# KiCad board pcb-rounded.kicad_pcb (continued)
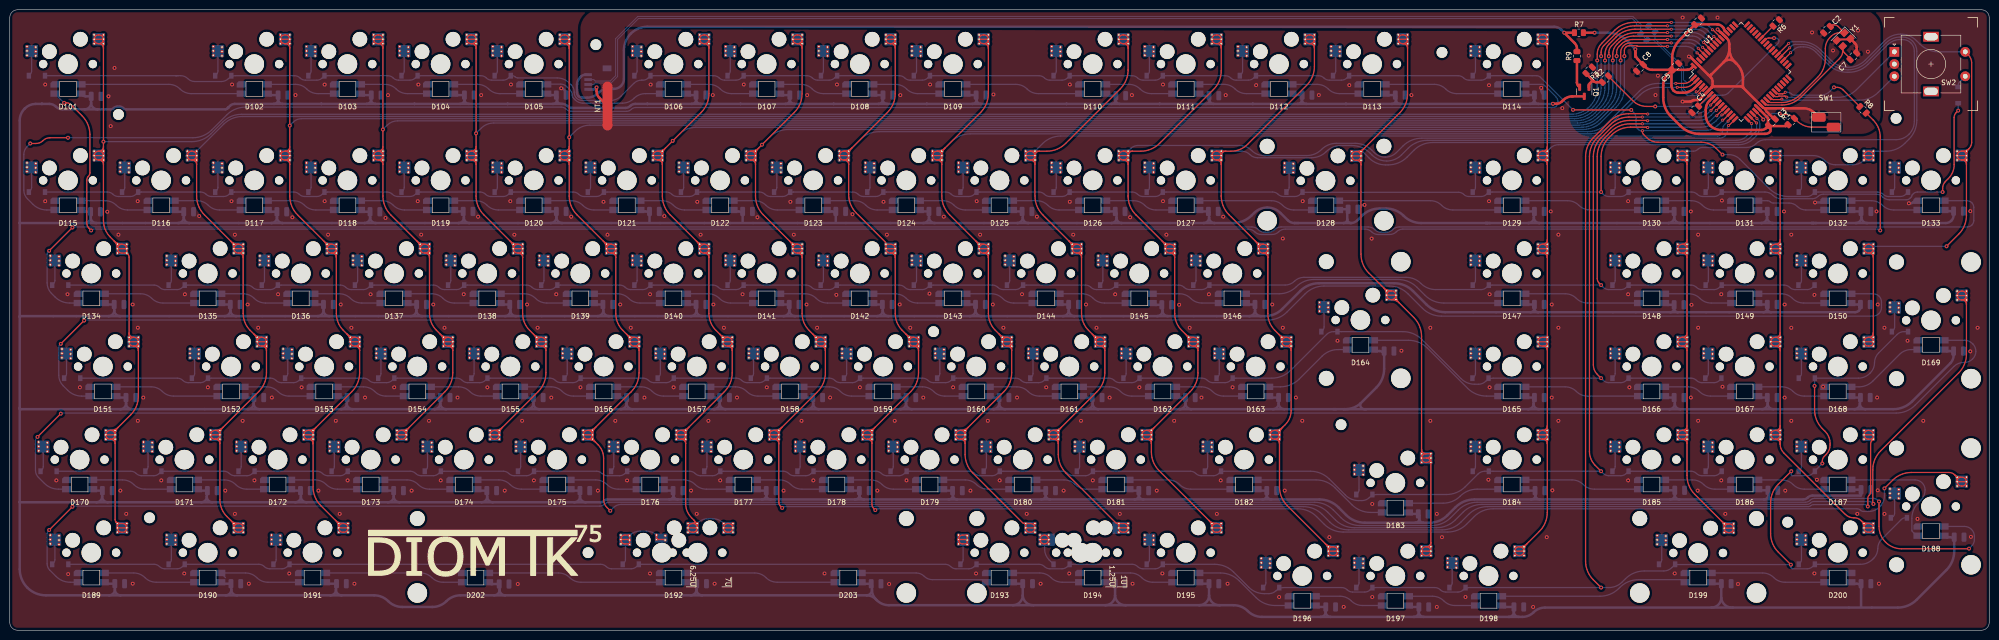
[diagram p0: board, top side]
## Routing (per net, layer and track width the routed paths; a pad name or vN(x,y) marks a point on that pad's centre or on a via; arc(x,y) is an arc through that point)
+5V: length 120.3
  Top w0.508: U1.8 347.59,108.38 arc(347.03,107.55) 346.84,106.56 346.84,105.48 arc(347.07,104.3) 347.74,103.3 arc(348.74,102.63) 349.93,102.39 358.21,102.39 arc(358.73,102.5) 359.17,102.79 ; 339.9,114.63 339.06,113.79 arc(338.38,112.77) 338.14,111.57 338.14,109.01 arc(338.55,106.93) 339.73,105.17 341.7,103.19 arc(343.47,102.01) 345.55,101.6 359.01,101.6 arc(359.53,101.7) 359.97,102 arc(360.13,102.39) 359.97,102.79 ; 339.9,114.63 arc(339.98,114.69) 340.08,114.71 ; 339.9,114.63 arc(339.91,114.68) 339.87,114.71 ; 339.9,114.63 arc(339.84,114.55) 339.82,114.45 339.82,111.51 arc(339.94,110.93) 340.26,110.45 arc(340.75,110.13) 341.32,110.01 342.18,110.01 arc(343.46,110.27) 344.54,110.99 U1.3 ; 332.44,117.35 v1(332.44,118.92) 332.44,118.15 arc(332.58,117.43) 332.99,116.82 334.58,115.24 arc(335.16,114.85) 335.85,114.71 339.87,114.71 ; R1.1 363.54,103.34 arc(363.37,103.23) 363.18,103.19 360.13,103.19 ; 340.08,114.71 343.03,114.71 arc(343.55,114.81) 343.99,115.1 U1.64 ; 340.08,114.71 arc(340,114.74) 339.97,114.81 ; U1.52 350.68,122.79 arc(350.6,122.91) 350.57,123.05 arc(350.55,123.19) 350.47,123.31 350.17,123.61 arc(349.71,123.91) 349.18,124.02 344.73,124.02 arc(344.68,124.01) 344.64,123.98 341.57,120.91 arc(340.39,119.14) 339.97,117.06 339.97,114.81 ; 339.97,114.81 arc(339.94,114.74) 339.87,114.71 ; v1(324.1,122.31) R7.2 ; 359.57,103.75 359.57,104.85 356.94,107.48 ; 359.57,103.75 arc(359.73,103.35) 360.13,103.19 ; 359.57,103.75 arc(359.47,103.23) 359.17,102.79 ; 360.13,103.19 arc(359.92,103.04) 359.97,102.79 ; 359.97,102.79 arc(359.57,102.96) 359.17,102.79
  Bottom w0.508: v1(332.44,118.92) 330.64,120.72 arc(328.88,121.9) 326.8,122.31 v1(324.1,122.31)
/LED/5V: length 3065.5
  Top w0.508: v1(315.6,107.76) 316.27,107.76 arc(316.9,107.88) 317.43,108.24 317.7,108.52 arc(318.54,109.08) 319.53,109.28 Q1.3
  Bottom w0.508: D188.1 395.73,19.2 arc(395.89,19.09) 396.08,19.05 396.76,19.05 arc(397.39,18.79) 397.65,18.16 397.65,16.18 arc(397.24,14.09) 396.06,12.33 389.96,6.23 arc(388.19,5.05) 386.11,4.64 352.36,4.64 ; D111.1 243.39,109.62 arc(243.62,109.46) 243.89,109.41 245.15,109.41 arc(245.25,109.39) 245.32,109.34 arc(245.37,109.26) 245.39,109.17 245.39,108.5 ; D184.1 310,28.72 arc(310.16,28.61) 310.35,28.58 311.87,28.58 arc(311.92,28.56) 311.97,28.54 arc(312,28.49) 312.01,28.44 312.01,27.63 ; 141.58,64.29 158.23,64.29 ; 141.58,64.29 139.28,64.29 ; 141.58,64.29 arc(140.77,64.63) 140.43,65.44 ; 277.39,45.24 310.52,45.24 ; 277.39,45.24 272.8,45.24 ; 277.39,45.24 arc(276.31,45.66) 276.2,46.39 ; 310.52,45.24 312.73,45.24 ; 310.52,45.24 arc(311.3,45.57) 311.63,46.35 ; 44.63,106.93 44.48,106.77 arc(44.3,106.65) 44.09,106.61 23.84,106.61 arc(23.48,106.69) 23.17,106.89 arc(22.86,107.1) 22.49,107.17 21.96,107.17 arc(21.59,107.1) 21.28,106.89 arc(20.97,106.69) 20.61,106.61 17.96,106.61 ; 44.63,106.93 44.65,106.94 ; 44.63,106.93 44.65,106.94 ; 149.45,107.73 158.64,107.73 ; 149.45,107.73 149.44,107.73 ; 149.45,107.73 arc(149.44,107.73) 149.44,107.74 ; 158.64,107.73 160.44,107.73 ; 158.64,107.73 arc(159.28,107.99) 159.54,108.63 ; 289.17,2.73 306.59,2.73 ; 289.17,2.73 287.16,2.73 ; 289.17,2.73 arc(288.46,3.03) 288.16,3.74 ; 306.59,2.73 308.6,2.73 ; 306.59,2.73 arc(307.3,3.03) 307.59,3.74 ; 72.54,83.34 55.79,83.34 ; 72.54,83.34 74.84,83.34 ; 72.54,83.34 arc(73.35,83.68) 73.69,84.49 ; D130.1 338.58,85.87 arc(338.74,85.76) 338.93,85.73 340.36,85.73 arc(340.38,85.72) 340.38,85.72 arc(340.39,85.71) 340.39,85.7 340.39,84.53 ; 22.55,64.29 20.19,64.29 ; 22.55,64.29 43.93,64.29 ; 22.55,64.29 arc(21.71,64.64) 21.37,65.48 ; 20.19,64.29 2.19,64.29 arc(2.13,64.28) 2.08,64.25 ; 20.19,64.29 arc(21.02,64.64) 21.37,65.48 ; 111.92,108.56 111.92,109.3 arc(111.9,109.39) 111.85,109.47 arc(111.77,109.52) 111.68,109.54 110.33,109.54 arc(110.14,109.58) 109.98,109.68 D105.1 ; 111.92,108.56 arc(111.67,107.97) 111.08,107.73 ; 111.92,108.56 arc(112.16,107.97) 112.75,107.73 ; 269.11,3.74 269.11,4.74 arc(269.12,4.75) 269.12,4.75 arc(269.12,4.76) 269.12,4.76 267.49,4.76 arc(267.3,4.8) 267.14,4.91 D196.1 ; 269.11,3.74 arc(269.41,3.03) 270.12,2.73 ; 269.11,3.74 arc(268.82,3.03) 268.11,2.73 ; 220.31,45.24 203.53,45.24 ; 220.31,45.24 222.61,45.24 ; 220.31,45.24 arc(221.12,45.58) 221.46,46.39 ; 203.53,45.24 201.16,45.24 ; 203.53,45.24 arc(202.69,45.59) 202.34,46.43 ; 312.73,45.24 339.4,45.24 ; 312.73,45.24 arc(311.95,45.57) 311.63,46.35 ; 192.02,26.76 174.66,26.76 ; 192.02,26.76 193.75,26.76 ; 192.02,26.76 arc(192.63,27.02) 192.88,27.63 ; 174.66,26.76 172.87,26.76 ; 174.66,26.76 arc(174.03,27.03) 173.77,27.66 ; D154.1 86.16,47.77 arc(86.32,47.66) 86.51,47.63 88.02,47.63 arc(88.03,47.62) 88.03,47.62 arc(88.04,47.61) 88.04,47.6 88.04,46.43 ; 2.03,83.4 2.03,104.34 arc(2.29,105.64) 3.03,106.74 3.11,106.83 arc(4.12,107.5) 5.3,107.73 6.56,107.73 ; 2.03,83.4 2.03,83.35 ; 2.03,83.4 arc(2.04,83.38) 2.05,83.36 ; 360.2,65.09 377.38,65.09 arc(377.8,65.18) 378.15,65.42 arc(378.39,65.77) 378.48,66.19 378.48,66.21 arc(378.34,66.54) 378.01,66.68 377.03,66.68 arc(376.84,66.71) 376.68,66.82 D150.1 ; 360.2,65.09 358.63,65.09 ; 360.2,65.09 arc(359.65,65.32) 359.42,65.88 ; 235.16,107.74 235.16,107.74 ; 235.16,107.74 arc(235.16,107.73) 235.16,107.73 ; 235.16,107.74 arc(235.17,107.73) 235.18,107.73 ; 246.39,83.34 250.17,83.34 arc(252.24,83.76) 254,84.93 254.46,85.4 arc(255.71,86.23) 257.18,86.52 arc(258.64,86.23) 259.89,85.4 261.38,83.91 arc(262,83.49) 262.73,83.34 ; 246.39,83.34 244.15,83.34 ; 246.39,83.34 arc(245.6,83.67) 245.27,84.46 ; 140.43,8.31 140.43,9.44 arc(140.44,9.47) 140.45,9.5 arc(140.46,9.52) 140.44,9.53 138.9,9.53 arc(138.71,9.56) 138.55,9.67 D192.1 ; 140.43,8.31 arc(140.09,7.49) 139.26,7.14 ; 140.43,8.31 arc(140.77,7.49) 141.6,7.14 ; 130.39,107.73 127.9,107.73 arc(127.36,107.62) 126.91,107.32 arc(126.46,107.02) 125.92,106.91 115.01,106.91 arc(114.48,107.02) 114.03,107.32 arc(113.57,107.62) 113.04,107.73 112.75,107.73 ; 130.39,107.73 130.4,107.73 ; 130.39,107.73 arc(130.39,107.73) 130.39,107.74 ; 2.03,64.27 2.03,83.35 ; 2.03,64.27 2.03,64.13 ; 2.03,64.27 arc(2.05,64.24) 2.08,64.25 ; 2.03,83.35 arc(2.04,83.36) 2.05,83.36 ; 378.36,46.38 378.36,47.44 arc(378.38,47.51) 378.42,47.57 arc(378.43,47.6) 378.4,47.63 377.03,47.63 arc(376.84,47.66) 376.68,47.77 D168.1 ; 378.36,46.38 arc(378.03,45.58) 377.23,45.24 ; 378.36,46.38 arc(378.7,45.58) 379.5,45.24 ; D193.1 205.23,9.67 arc(205.39,9.56) 205.58,9.53 207.15,9.53 arc(207.15,9.52) 207.16,9.52 arc(207.16,9.52) 207.16,9.52 207.16,7.12 ; D109.1 195.7,109.68 arc(195.86,109.58) 196.05,109.54 197.57,109.54 arc(197.62,109.53) 197.67,109.5 arc(197.7,109.45) 197.71,109.4 197.71,108.59 ; 358.35,45.24 341.64,45.24 ; 358.35,45.24 360.66,45.24 ; 358.35,45.24 arc(359.17,45.58) 359.51,46.39 ; 341.64,45.24 339.4,45.24 ; 341.64,45.24 arc(340.85,45.57) 340.52,46.36 ; 96.48,26.19 79.7,26.19 ; 96.48,26.19 98.78,26.19 ; 96.48,26.19 arc(97.29,26.53) 97.63,27.34 ; 79.7,26.19 77.34,26.19 ; 79.7,26.19 arc(78.86,26.54) 78.52,27.38 ; 112.75,107.73 111.08,107.73 ; 111.08,107.73 101.83,107.73 ; 179.68,64.29 177.38,64.29 ; 179.68,64.29 196.33,64.29 ; 179.68,64.29 arc(178.87,64.63) 178.53,65.44 ; 177.38,64.29 160.6,64.29 ; 177.38,64.29 arc(178.19,64.63) 178.53,65.44 ; 18.89,27.36 18.89,28.49 arc(18.9,28.52) 18.92,28.55 arc(18.92,28.57) 18.91,28.58 17.46,28.58 arc(17.27,28.61) 17.11,28.72 D170.1 ; 18.89,27.36 arc(19.23,26.54) 20.06,26.19 ; 18.89,27.36 arc(18.55,26.54) 17.72,26.19 ; 359.38,84.51 359.38,85.64 arc(359.38,85.67) 359.4,85.7 arc(359.41,85.72) 359.39,85.73 357.98,85.73 arc(357.79,85.76) 357.63,85.87 D131.1 ; 359.38,84.51 arc(359.72,83.69) 360.55,83.34 ; 359.38,84.51 arc(359.04,83.69) 358.21,83.34 ; 89.23,45.24 86.86,45.24 ; 89.23,45.24 105.91,45.24 ; 89.23,45.24 arc(88.39,45.59) 88.04,46.43 ; 86.86,45.24 70.1,45.24 ; 86.86,45.24 arc(87.7,45.59) 88.04,46.43 ; 55.79,83.34 53.49,83.34 ; 55.79,83.34 arc(54.98,83.68) 54.64,84.49 ; 53.49,83.34 36.74,83.34 ; 53.49,83.34 arc(54.3,83.68) 54.64,84.49 ; 182.11,45.24 165.46,45.24 ; 182.11,45.24 184.48,45.24 ; 182.11,45.24 arc(182.95,45.59) 183.29,46.43 ; 165.46,45.24 163.16,45.24 ; 165.46,45.24 arc(164.64,45.58) 164.31,46.39 ; 308.6,2.73 309.35,2.73 arc(310.59,2.98) 311.65,3.68 arc(312.7,4.39) 313.94,4.64 348.01,4.64 ; 308.6,2.73 arc(307.89,3.03) 307.59,3.74 ; 311.76,108.61 311.76,109.46 arc(311.76,109.49) 311.78,109.52 arc(311.78,109.53) 311.77,109.54 310.35,109.54 arc(310.16,109.58) 310,109.68 D114.1 ; 311.76,108.61 arc(312.01,107.99) 312.64,107.73 ; 311.76,108.61 arc(311.5,107.99) 310.88,107.73 ; 121.38,65.44 121.38,66.54 arc(121.37,66.59) 121.34,66.64 arc(121.3,66.66) 121.24,66.68 119.85,66.68 arc(119.66,66.71) 119.5,66.82 D139.1 ; 121.38,65.44 arc(121.04,64.63) 120.23,64.29 ; 121.38,65.44 arc(121.72,64.63) 122.53,64.29 ; 127.33,45.24 144.01,45.24 ; 127.33,45.24 124.96,45.24 ; 127.33,45.24 arc(126.49,45.59) 126.14,46.43 ; 144.01,45.24 146.38,45.24 ; 144.01,45.24 arc(144.85,45.59) 145.19,46.43 ; 341.12,65.09 339.61,65.09 ; 341.12,65.09 358.63,65.09 ; 341.12,65.09 arc(340.59,65.32) 340.37,65.85 ; 339.61,65.09 312.56,65.09 ; 339.61,65.09 arc(340.15,65.32) 340.37,65.85 ; 168.5,107.73 168.49,107.73 ; 168.5,107.73 177.65,107.73 ; 168.5,107.73 arc(168.49,107.73) 168.49,107.74 ; 168.49,107.73 160.44,107.73 ; 168.49,107.73 arc(168.49,107.73) 168.49,107.74 ; 198.7,64.29 215.38,64.29 ; 198.7,64.29 196.33,64.29 ; 198.7,64.29 arc(197.86,64.64) 197.52,65.48 ; 183.29,46.43 183.29,47.6 arc(183.29,47.61) 183.28,47.62 arc(183.28,47.62) 183.27,47.63 181.76,47.63 arc(181.57,47.66) 181.41,47.77 D159.1 ; 183.29,46.43 arc(183.64,45.59) 184.48,45.24 ; 40.29,27.33 40.29,28.39 arc(40.31,28.46) 40.35,28.52 arc(40.35,28.55) 40.32,28.58 38.89,28.58 arc(38.7,28.61) 38.54,28.72 D171.1 ; 40.29,27.33 arc(39.96,26.53) 39.16,26.19 ; 40.29,27.33 arc(40.62,26.53) 41.43,26.19 ; 122.53,64.29 120.23,64.29 ; 122.53,64.29 139.28,64.29 ; 120.23,64.29 103.51,64.29 ; 139.28,64.29 arc(140.09,64.63) 140.43,65.44 ; 62.98,64.29 46.3,64.29 ; 62.98,64.29 65.35,64.29 ; 62.98,64.29 arc(63.82,64.64) 64.17,65.48 ; 215.38,64.29 217.75,64.29 ; 215.38,64.29 arc(216.22,64.64) 216.57,65.48 ; D122.1 148.08,85.87 arc(148.24,85.76) 148.43,85.73 149.05,85.73 arc(149.63,85.48) 149.88,84.9 149.88,83.52 ; 228.22,5.12 243.26,5.12 ; 228.22,5.12 224.04,5.12 ; 228.22,5.12 arc(226.68,5.71) 226.04,7.12 ; 243.26,5.12 247.46,5.12 ; 243.26,5.12 arc(244.67,5.71) 245.26,7.12 ; 160.44,107.73 arc(159.8,107.99) 159.54,108.63 ; 184.48,45.24 201.16,45.24 ; 201.16,45.24 arc(202,45.59) 202.34,46.43 ; 245.39,108.5 arc(245.17,107.96) 244.62,107.73 ; 245.39,108.5 arc(245.62,107.96) 246.16,107.73 ; 24.96,45.24 48.71,45.24 ; 24.96,45.24 22.6,45.24 ; 24.96,45.24 arc(24.13,45.59) 23.78,46.43 ; 48.71,45.24 51.05,45.24 ; 48.71,45.24 arc(49.54,45.59) 49.88,46.41 ; 46.3,64.29 43.93,64.29 ; 46.3,64.29 arc(45.46,64.64) 45.12,65.48 ; D164.1 279.05,57.3 arc(279.21,57.19) 279.4,57.15 280.13,57.15 arc(280.79,56.88) 281.07,56.21 281.07,53.51 arc(280.65,51.43) 279.47,49.67 276.2,46.39 ; 205.16,5.12 179.77,5.12 arc(178.45,5.39) 177.33,6.13 177.11,6.36 ; 205.16,5.12 209.36,5.12 ; 205.16,5.12 arc(206.57,5.71) 207.16,7.12 ; 112.97,83.34 110.61,83.34 ; 112.97,83.34 186.81,83.34 ; 112.97,83.34 arc(112.14,83.69) 111.79,84.53 ; 110.61,83.34 93.99,83.34 ; 110.61,83.34 arc(111.45,83.69) 111.79,84.53 ; 117.8,26.19 120.81,26.19 arc(121.18,26.27) 121.5,26.48 arc(121.81,26.69) 122.18,26.76 134.87,26.76 ; 117.8,26.19 115.44,26.19 ; 117.8,26.19 arc(116.96,26.54) 116.62,27.38 ; 130.4,107.73 139.47,107.73 ; 130.4,107.73 arc(130.39,107.73) 130.39,107.74 ; 124.96,45.24 108.28,45.24 ; 124.96,45.24 arc(125.8,45.59) 126.14,46.43 ; 108.28,45.24 105.91,45.24 ; 108.28,45.24 arc(107.44,45.59) 107.09,46.43 ; 2.03,26.2 2.03,12.5 arc(2.44,10.45) 3.6,8.71 arc(5.34,7.55) 7.39,7.14 20.31,7.14 ; 2.03,26.2 2.03,26.25 ; 2.03,26.2 arc(2.04,26.21) 2.05,26.21 ; 146.38,45.24 163.16,45.24 ; 146.38,45.24 arc(145.54,45.59) 145.19,46.43 ; 341.45,26.76 358.74,26.76 ; 341.45,26.76 339.59,26.76 ; 341.45,26.76 arc(340.79,27.04) 340.52,27.69 ; 358.74,26.76 360.53,26.76 ; 358.74,26.76 arc(359.37,27.03) 359.63,27.66 ; D160.1 200.46,47.77 arc(200.62,47.66) 200.81,47.63 202.32,47.63 arc(202.33,47.62) 202.33,47.62 arc(202.34,47.61) 202.34,47.6 202.34,46.43 ; 70.1,45.24 67.76,45.24 ; 70.1,45.24 arc(69.27,45.59) 68.93,46.41 ; 67.76,45.24 51.05,45.24 ; 67.76,45.24 arc(68.59,45.59) 68.93,46.41 ; 116.62,27.38 116.62,28.55 arc(116.62,28.56) 116.61,28.57 arc(116.6,28.57) 116.59,28.58 115.09,28.58 arc(114.9,28.61) 114.74,28.72 D175.1 ; 116.62,27.38 arc(116.27,26.54) 115.44,26.19 ; 340.52,27.69 340.52,28.61 arc(340.52,28.62) 340.51,28.63 arc(340.5,28.64) 340.49,28.64 338.82,28.64 arc(338.67,28.67) 338.54,28.75 D185.1 ; 340.52,27.69 arc(340.25,27.04) 339.59,26.76 ; 311.69,84.48 311.69,85.54 arc(311.7,85.61) 311.75,85.67 arc(311.75,85.7) 311.72,85.73 310.35,85.73 arc(310.16,85.76) 310,85.87 D129.1 ; 311.69,84.48 arc(311.36,83.68) 310.55,83.34 ; 311.69,84.48 arc(312.02,83.68) 312.82,83.34 ; 2.03,45.29 2.03,45.51 ; 2.03,45.29 2.03,26.25 ; 2.03,45.29 arc(2.06,45.33) 2.11,45.32 ; 2.03,45.51 2.03,64.13 ; 2.03,45.51 arc(2.05,45.41) 2.11,45.32 ; 312.64,107.73 315.55,107.73 arc(315.56,107.73) 315.58,107.75 v1(315.6,107.76) ; 312.64,107.73 310.88,107.73 ; D121.1 129.03,85.87 arc(129.19,85.76) 129.38,85.73 130,85.73 arc(130.58,85.48) 130.83,84.9 130.83,83.52 ; 20.06,26.19 17.72,26.19 ; 20.06,26.19 39.16,26.19 ; 17.72,26.19 2.09,26.19 arc(2.07,26.2) 2.05,26.21 ; D140.1 138.55,66.82 arc(138.71,66.71) 138.9,66.68 140.29,66.68 arc(140.35,66.66) 140.39,66.64 arc(140.42,66.59) 140.43,66.54 140.43,65.44 ; 236.83,64.29 234.66,64.29 ; 236.83,64.29 253.48,64.29 ; 236.83,64.29 arc(236.06,64.61) 235.74,65.38 ; 234.66,64.29 217.75,64.29 ; 234.66,64.29 arc(235.43,64.61) 235.74,65.38 ; 311.14,26.76 299.51,26.76 arc(297.43,26.35) 295.66,25.17 293.99,23.5 arc(292.33,22.39) 290.37,22 289.06,22 ; 311.14,26.76 312.87,26.76 ; 311.14,26.76 arc(311.75,27.02) 312.01,27.63 ; 63.73,107.73 63.71,107.73 ; 63.73,107.73 73,107.73 ; 63.73,107.73 arc(63.72,107.73) 63.71,107.74 ; 63.71,107.73 55.79,107.73 ; 63.71,107.73 arc(63.71,107.73) 63.71,107.74 ; 97.93,9.82 98.1,9.64 arc(98.3,9.51) 98.53,9.46 100.04,9.46 arc(100.09,9.45) 100.13,9.42 arc(100.16,9.38) 100.17,9.33 100.17,8.26 ; 272.77,83.34 262.73,83.34 ; 272.77,83.34 274.28,83.34 ; 272.77,83.34 arc(273.31,83.56) 273.53,84.1 ; 262.73,83.34 263.53,83.34 ; 55.79,107.73 54,107.73 ; 55.79,107.73 arc(55.16,107.99) 54.89,108.63 ; 54,107.73 46,107.73 arc(45.48,107.63) 45.04,107.33 44.65,106.94 ; 54,107.73 arc(54.63,107.99) 54.89,108.63 ; 289.06,22 287.46,22 ; 289.06,22 arc(288.49,22.24) 288.26,22.8 ; 136.6,26.76 134.87,26.76 ; 136.6,26.76 153.82,26.76 ; 136.6,26.76 arc(135.99,27.02) 135.73,27.63 ; 134.87,26.76 arc(135.48,27.02) 135.73,27.63 ; 187.55,107.73 196.85,107.73 ; 187.55,107.73 187.54,107.73 ; 187.55,107.73 arc(187.54,107.73) 187.54,107.74 ; 196.85,107.73 198.57,107.73 ; 196.85,107.73 arc(197.46,107.98) 197.71,108.59 ; 39.16,26.19 41.43,26.19 ; 81.99,64.29 65.35,64.29 ; 81.99,64.29 84.32,64.29 ; 81.99,64.29 arc(82.81,64.64) 83.15,65.46 ; 100.17,8.26 arc(99.84,7.47) 99.05,7.14 ; 100.17,8.26 arc(100.5,7.47) 101.29,7.14 ; 369.38,83.34 377.53,83.34 ; 369.38,83.34 368.81,83.34 ; 369.38,83.34 368.81,83.34 ; 377.53,83.34 379.83,83.34 ; 377.53,83.34 arc(378.35,83.68) 378.68,84.49 ; 83.15,65.46 83.15,66.59 arc(83.16,66.62) 83.18,66.65 arc(83.18,66.67) 83.17,66.68 81.75,66.68 arc(81.56,66.71) 81.4,66.82 D137.1 ; 83.15,65.46 arc(83.49,64.64) 84.32,64.29 ; D155.1 105.21,47.77 arc(105.37,47.66) 105.56,47.63 107.07,47.63 arc(107.08,47.62) 107.08,47.62 arc(107.09,47.61) 107.09,47.6 107.09,46.43 ; 264.26,108.61 264.26,109.46 arc(264.26,109.49) 264.28,109.52 arc(264.28,109.53) 264.27,109.54 262.73,109.54 arc(262.54,109.58) 262.38,109.68 D112.1 ; 264.26,108.61 arc(264.52,107.99) 265.14,107.73 ; 264.26,108.61 arc(264,107.99) 263.38,107.73 ; D138.1 100.45,66.82 arc(100.61,66.71) 100.8,66.68 102.15,66.68 arc(102.24,66.66) 102.32,66.6 arc(102.38,66.52) 102.39,66.43 102.39,65.41 ; D104.1 90.93,109.68 arc(91.09,109.58) 91.28,109.54 92.97,109.54 arc(92.98,109.54) 92.99,109.53 arc(92.99,109.52) 92.99,109.52 92.99,108.63 ; 377.23,45.24 360.66,45.24 ; 377.23,45.24 379.5,45.24 ; 360.66,45.24 arc(359.84,45.58) 359.51,46.39 ; 155.61,26.76 172.87,26.76 ; 155.61,26.76 153.82,26.76 ; 155.61,26.76 arc(154.98,27.03) 154.72,27.66 ; 172.87,26.76 arc(173.5,27.03) 173.77,27.66 ; 288.26,22.8 288.26,23.46 arc(288.23,23.6) 288.15,23.71 arc(288.04,23.79) 287.91,23.81 286.54,23.81 arc(286.35,23.85) 286.19,23.96 D183.1 ; 288.26,22.8 arc(288.02,22.24) 287.46,22 ; 153.82,26.76 arc(154.45,27.03) 154.72,27.66 ; D101.1 14.85,109.56 arc(15.15,109.35) 15.51,109.28 16.64,109.28 arc(16.64,109.28) 16.64,109.27 arc(16.64,109.26) 16.63,109.25 16.63,107.94 ; 17.69,83.34 34.44,83.34 ; 17.69,83.34 15.39,83.34 ; 17.69,83.34 arc(16.88,83.68) 16.54,84.49 ; 105.91,45.24 arc(106.75,45.59) 107.09,46.43 ; D118.1 71.91,85.84 arc(72.1,85.71) 72.33,85.66 73.66,85.66 arc(73.68,85.66) 73.68,85.65 arc(73.69,85.64) 73.69,85.63 73.69,84.49 ; 145.19,46.43 145.19,47.6 arc(145.19,47.61) 145.18,47.62 arc(145.18,47.62) 145.17,47.63 143.66,47.63 arc(143.47,47.66) 143.31,47.77 D157.1 ; D163.1 257.61,47.77 arc(257.77,47.66) 257.96,47.63 259.47,47.63 arc(259.48,47.62) 259.48,47.62 arc(259.49,47.61) 259.49,47.6 259.49,46.43 ; 39.89,45.26 39.88,45.24 ; 178.53,108.61 178.53,109.46 arc(178.54,109.49) 178.56,109.52 arc(178.56,109.53) 178.55,109.54 177,109.54 arc(176.81,109.58) 176.65,109.68 D108.1 ; 178.53,108.61 arc(178.28,107.99) 177.65,107.73 ; 178.53,108.61 arc(178.79,107.99) 179.41,107.73 ; 244.15,83.34 227.4,83.34 ; 244.15,83.34 arc(244.94,83.67) 245.27,84.46 ; 158.23,64.29 160.6,64.29 ; 158.23,64.29 arc(159.07,64.64) 159.42,65.48 ; D181.1 229.04,28.72 arc(229.2,28.61) 229.39,28.58 230.89,28.58 arc(230.9,28.57) 230.91,28.57 arc(230.92,28.56) 230.92,28.55 230.92,27.66 ; 35.59,84.49 35.59,85.63 arc(35.59,85.64) 35.58,85.65 arc(35.58,85.66) 35.56,85.66 34.23,85.66 arc(34,85.71) 33.81,85.84 D116.1 ; 35.59,84.49 arc(35.25,83.68) 34.44,83.34 ; 35.59,84.49 arc(35.93,83.68) 36.74,83.34 ; 140.36,108.63 140.36,109.52 arc(140.36,109.52) 140.36,109.53 arc(140.35,109.54) 140.34,109.54 138.9,109.54 arc(138.71,109.58) 138.55,109.68 D106.1 ; 140.36,108.63 arc(140.1,107.99) 139.47,107.73 ; 140.36,108.63 arc(140.63,107.99) 141.26,107.73 ; 358.63,65.09 arc(359.19,65.32) 359.42,65.88 ; D133.1 395.69,85.9 arc(395.82,85.82) 395.97,85.79 396.77,85.79 arc(397.31,85.57) 397.53,85.03 397.53,84.94 arc(397.4,84.33) 397.06,83.81 arc(396.54,83.47) 395.93,83.34 379.83,83.34 ; 149.44,107.74 149.43,107.74 ; 149.44,107.74 arc(149.44,107.73) 149.44,107.73 ; 141.6,7.14 139.26,7.14 ; 141.6,7.14 175.22,7.14 ; 139.26,7.14 101.29,7.14 ; 197.52,65.48 197.52,66.65 arc(197.51,66.66) 197.51,66.67 arc(197.5,66.67) 197.49,66.68 196.05,66.68 arc(195.86,66.71) 195.7,66.82 D143.1 ; 197.52,65.48 arc(197.17,64.64) 196.33,64.29 ; 74.77,107.73 73,107.73 ; 74.77,107.73 82.76,107.73 ; 74.77,107.73 arc(74.14,107.99) 73.89,108.61 ; 73,107.73 arc(73.63,107.99) 73.89,108.61 ; 254.23,107.73 263.38,107.73 ; 254.23,107.73 254.21,107.73 ; 254.23,107.73 arc(254.22,107.73) 254.21,107.74 ; 263.38,107.73 265.14,107.73 ; D126.1 224.28,85.87 arc(224.44,85.76) 224.63,85.73 225.89,85.73 arc(226.06,85.69) 226.21,85.59 arc(226.31,85.44) 226.35,85.26 226.35,84.4 ; 73.69,84.49 arc(74.03,83.68) 74.84,83.34 ; 311.78,65.87 311.78,66.64 arc(311.78,66.65) 311.79,66.66 arc(311.79,66.67) 311.78,66.68 310.35,66.68 arc(310.16,66.71) 310,66.82 D147.1 ; 311.78,65.87 arc(311.55,65.32) 311,65.09 ; 311.78,65.87 arc(312.01,65.32) 312.56,65.09 ; 307.59,3.74 307.59,4.74 arc(307.6,4.75) 307.6,4.75 arc(307.6,4.76) 307.6,4.76 305.59,4.76 arc(305.4,4.8) 305.24,4.91 D198.1 ; 254.21,107.73 246.16,107.73 ; 254.21,107.73 arc(254.21,107.73) 254.21,107.74 ; 186.81,83.34 189.17,83.34 ; 186.81,83.34 arc(187.65,83.69) 187.99,84.53 ; 16.63,107.94 arc(16.24,107) 15.31,106.61 ; 16.63,107.94 arc(17.02,107) 17.96,106.61 ; 246.16,107.73 244.62,107.73 ; 378.68,84.49 378.68,85.59 arc(378.67,85.64) 378.64,85.69 arc(378.6,85.71) 378.55,85.73 377.03,85.73 arc(376.84,85.76) 376.68,85.87 D132.1 ; 378.68,84.49 arc(379.02,83.68) 379.83,83.34 ; 23.78,46.43 23.78,47.6 arc(23.78,47.61) 23.77,47.62 arc(23.76,47.62) 23.75,47.63 22.22,47.63 arc(22.03,47.66) 21.87,47.77 D151.1 ; 23.78,46.43 arc(23.43,45.59) 22.6,45.24 ; 126.14,46.43 126.14,47.6 arc(126.14,47.61) 126.13,47.62 arc(126.13,47.62) 126.12,47.63 124.61,47.63 arc(124.42,47.66) 124.26,47.77 D156.1 ; 59.53,27.34 59.53,28.44 arc(59.52,28.49) 59.49,28.54 arc(59.45,28.56) 59.4,28.58 57.94,28.58 arc(57.75,28.61) 57.59,28.72 D172.1 ; 59.53,27.34 arc(59.87,26.53) 60.68,26.19 ; 59.53,27.34 arc(59.19,26.53) 58.38,26.19 ; 74.84,83.34 91.75,83.34 ; 91.75,83.34 93.99,83.34 ; 91.75,83.34 arc(92.54,83.67) 92.87,84.46 ; 235.18,107.73 235.16,107.73 ; 235.18,107.73 244.62,107.73 ; 235.16,107.73 226.98,107.73 ; 73.89,108.61 73.89,109.46 arc(73.89,109.49) 73.91,109.52 arc(73.91,109.53) 73.9,109.54 72.23,109.54 arc(72.04,109.58) 71.88,109.68 D103.1 ; 101.29,7.14 99.05,7.14 ; D167.1 357.63,47.77 arc(357.79,47.66) 357.98,47.63 359.37,47.63 arc(359.42,47.61) 359.47,47.59 arc(359.49,47.54) 359.51,47.49 359.51,46.39 ; 271.27,45.24 270.67,45.24 ; 102.39,65.41 arc(102.07,64.62) 101.27,64.29 ; 102.39,65.41 arc(102.72,64.62) 103.51,64.29 ; 273.28,107.73 273.26,107.73 ; 273.28,107.73 282.66,107.73 ; 273.28,107.73 arc(273.27,107.73) 273.26,107.74 ; 273.26,107.73 265.14,107.73 ; 273.26,107.73 arc(273.26,107.73) 273.26,107.74 ; 340.52,46.36 340.52,47.38 arc(340.5,47.47) 340.45,47.55 arc(340.37,47.61) 340.28,47.63 338.93,47.63 arc(338.74,47.66) 338.58,47.77 D166.1 ; 340.52,46.36 arc(340.19,45.57) 339.4,45.24 ; 221.46,46.39 221.46,47.49 arc(221.45,47.54) 221.42,47.59 arc(221.37,47.61) 221.32,47.63 219.86,47.63 arc(219.67,47.66) 219.51,47.77 D161.1 ; 221.46,46.39 arc(221.79,45.58) 222.61,45.24 ; 226.98,107.73 225.34,107.73 ; 226.98,107.73 arc(226.4,107.97) 226.16,108.55 ; 159.54,108.63 159.54,109.52 arc(159.54,109.52) 159.53,109.53 arc(159.53,109.54) 159.52,109.54 157.95,109.54 arc(157.76,109.58) 157.6,109.68 D107.1 ; 226.16,108.55 226.16,109.33 arc(226.16,109.36) 226.18,109.39 arc(226.18,109.4) 226.17,109.41 224.84,109.41 arc(224.57,109.46) 224.34,109.62 D110.1 ; 226.16,108.55 arc(225.92,107.97) 225.34,107.73 ; 101.81,107.73 93.89,107.73 ; 101.81,107.73 101.83,107.73 ; 101.81,107.73 arc(101.81,107.73) 101.81,107.74 ; 93.89,107.73 92.1,107.73 ; 93.89,107.73 arc(93.26,107.99) 92.99,108.63 ; 175.22,7.14 arc(176,7.47) 176.32,8.25 ; 175.22,7.14 arc(176.24,6.94) 177.11,6.36 ; 284.33,107.73 282.66,107.73 ; 284.33,107.73 310.88,107.73 ; 284.33,107.73 arc(283.74,107.97) 283.49,108.56 ; 282.66,107.73 arc(283.25,107.97) 283.49,108.56 ; 44.65,106.94 44.66,106.95 ; D176.1 133.79,28.72 arc(133.95,28.61) 134.14,28.58 135.6,28.58 arc(135.65,28.56) 135.69,28.54 arc(135.72,28.49) 135.73,28.44 135.73,27.63 ; D146.1 252.85,66.82 arc(253.01,66.71) 253.2,66.68 254.64,66.68 arc(254.65,66.67) 254.66,66.67 arc(254.66,66.66) 254.67,66.65 254.67,65.48 ; 163.16,45.24 arc(163.97,45.58) 164.31,46.39 ; 15.39,83.34 2.09,83.34 arc(2.07,83.35) 2.05,83.36 ; 15.39,83.34 arc(16.2,83.68) 16.54,84.49 ; 98.78,26.19 115.44,26.19 ; 98.78,26.19 arc(97.97,26.53) 97.63,27.34 ; 101.83,107.73 arc(101.82,107.73) 101.81,107.74 ; D178.1 171.89,28.72 arc(172.05,28.61) 172.24,28.58 173.74,28.58 arc(173.75,28.57) 173.76,28.57 arc(173.77,28.56) 173.77,28.55 173.77,27.66 ; 111.79,84.53 111.79,85.7 arc(111.79,85.71) 111.78,85.72 arc(111.78,85.72) 111.76,85.73 110.33,85.73 arc(110.14,85.76) 109.98,85.87 D120.1 ; 139.47,107.73 141.26,107.73 ; 257.08,27.66 257.08,28.55 arc(257.08,28.56) 257.07,28.57 arc(257.06,28.57) 257.05,28.58 255.58,28.58 arc(255.39,28.61) 255.23,28.72 D182.1 ; 257.08,27.66 arc(256.82,27.03) 256.18,26.76 ; 257.08,27.66 arc(257.34,27.03) 257.98,26.76 ; 67.84,7.14 74.52,7.14 arc(76.07,6.83) 77.39,5.95 arc(78.71,5.07) 80.27,4.76 86.42,4.76 arc(87.98,5.07) 89.3,5.95 arc(90.62,6.83) 92.17,7.14 99.05,7.14 ; 67.84,7.14 65.57,7.14 ; 67.84,7.14 arc(67.04,7.48) 66.71,8.28 ; D180.1 209.99,28.72 arc(210.15,28.61) 210.34,28.58 211.84,28.58 arc(211.85,28.57) 211.86,28.57 arc(211.87,28.56) 211.87,28.55 211.87,27.66 ; 41.43,26.19 58.38,26.19 ; 270.12,2.73 287.16,2.73 ; 270.12,2.73 268.11,2.73 ; 287.16,2.73 arc(287.87,3.03) 288.16,3.74 ; 2.03,64.13 arc(2.04,64.19) 2.08,64.25 ; 272.8,45.24 260.68,45.24 ; 272.8,45.24 arc(274.76,45.54) 276.2,46.39 ; 260.68,45.24 258.31,45.24 ; 260.68,45.24 arc(259.84,45.59) 259.49,46.43 ; 212.76,26.76 230.02,26.76 ; 212.76,26.76 210.97,26.76 ; 212.76,26.76 arc(212.13,27.03) 211.87,27.66 ; 230.02,26.76 231.81,26.76 ; 230.02,26.76 arc(230.65,27.03) 230.92,27.66 ; 198.57,107.73 216.11,107.73 ; 198.57,107.73 arc(197.96,107.98) 197.71,108.59 ; 36.74,83.34 34.44,83.34 ; 82.78,107.73 82.76,107.73 ; 82.78,107.73 92.1,107.73 ; 82.78,107.73 arc(82.77,107.73) 82.76,107.74 ; 82.76,107.73 arc(82.76,107.73) 82.76,107.74 ; 348.01,4.64 352.36,4.64 ; 348.01,4.64 arc(349.43,5.22) 350.01,6.64 ; 58.38,26.19 60.68,26.19 ; 16.54,84.49 16.54,85.63 arc(16.54,85.64) 16.53,85.65 arc(16.53,85.66) 16.51,85.66 15.18,85.66 arc(14.95,85.71) 14.76,85.84 D115.1 ; 15.31,106.61 10.79,106.61 arc(10.06,106.76) 9.44,107.17 arc(8.82,107.59) 8.09,107.73 6.59,107.73 ; 15.31,106.61 17.96,106.61 ; D124.1 186.18,85.87 arc(186.34,85.76) 186.53,85.73 187.96,85.73 arc(187.98,85.72) 187.98,85.72 arc(187.99,85.71) 187.99,85.7 187.99,84.53 ; 6.56,107.73 6.59,107.73 ; 6.56,107.73 arc(6.57,107.73) 6.57,107.74 ; 179.41,107.73 177.65,107.73 ; 179.41,107.73 187.54,107.73 ; 177.11,6.36 arc(176.53,7.23) 176.32,8.25 ; D162.1 238.56,47.77 arc(238.72,47.66) 238.91,47.63 240.42,47.63 arc(240.43,47.62) 240.43,47.62 arc(240.44,47.61) 240.44,47.6 240.44,46.43 ; 216.11,107.73 216.13,107.73 ; 216.11,107.73 arc(216.11,107.73) 216.11,107.74 ; 312.56,65.09 311,65.09 ; 224.04,5.12 209.36,5.12 ; 224.04,5.12 arc(225.45,5.71) 226.04,7.12 ; 209.36,5.12 arc(207.8,5.71) 207.16,7.12 ; 43.93,64.29 arc(44.77,64.64) 45.12,65.48 ; 101.27,64.29 84.32,64.29 ; 101.27,64.29 103.51,64.29 ; 211.87,27.66 arc(211.6,27.03) 210.97,26.76 ; 302.13,83.34 288.65,83.34 arc(286.7,83.73) 285.06,84.83 arc(283.41,85.93) 281.47,86.32 280.11,86.32 arc(278.17,85.93) 276.52,84.83 275.57,83.88 arc(274.98,83.48) 274.28,83.34 ; 302.13,83.34 302.7,83.34 ; 302.13,83.34 302.7,83.34 ; 302.13,83.34 301.86,83.34 arc(301.85,83.35) 301.84,83.35 301.83,83.36 ; 230.92,27.66 arc(231.18,27.03) 231.81,26.76 ; 46.46,7.14 65.57,7.14 ; 46.46,7.14 44.16,7.14 ; 46.46,7.14 arc(45.64,7.48) 45.31,8.29 ; 65.57,7.14 arc(66.37,7.48) 66.71,8.28 ; D142.1 176.65,66.82 arc(176.81,66.71) 177,66.68 178.39,66.68 arc(178.45,66.66) 178.49,66.64 arc(178.52,66.59) 178.53,66.54 178.53,65.44 ; 77.34,26.19 60.68,26.19 ; 77.34,26.19 arc(78.17,26.54) 78.52,27.38 ; 368.81,83.34 368.53,83.34 arc(368.52,83.35) 368.51,83.35 368.51,83.36 ; 368.81,83.34 360.55,83.34 ; 193.75,26.76 210.97,26.76 ; 193.75,26.76 arc(193.14,27.02) 192.88,27.63 ; D152.1 48.06,47.77 arc(48.22,47.66) 48.41,47.63 49.89,47.63 arc(49.91,47.62) 49.9,47.6 arc(49.89,47.57) 49.88,47.54 49.88,46.41 ; 231.81,26.76 256.18,26.76 ; 255.85,64.29 253.48,64.29 ; 255.85,64.29 256.71,64.29 arc(258.61,64.67) 260.21,65.74 263.9,69.43 arc(265.67,70.61) 267.75,71.03 283.11,71.03 arc(285.19,70.61) 286.96,69.43 289.71,66.69 arc(291.47,65.51) 293.55,65.09 311,65.09 ; 255.85,64.29 arc(255.01,64.64) 254.67,65.48 ; 253.48,64.29 arc(254.32,64.64) 254.67,65.48 ; 358.21,83.34 341.57,83.34 ; 358.21,83.34 360.55,83.34 ; 51.05,45.24 arc(50.22,45.59) 49.88,46.41 ; 92.87,84.46 92.87,85.48 arc(92.85,85.57) 92.8,85.65 arc(92.72,85.71) 92.63,85.73 91.28,85.73 arc(91.09,85.76) 90.93,85.87 D119.1 ; 92.87,84.46 arc(93.2,83.67) 93.99,83.34 ; 288.16,3.74 288.16,4.74 arc(288.17,4.75) 288.17,4.75 arc(288.17,4.76) 288.17,4.76 286.54,4.76 arc(286.35,4.8) 286.19,4.91 D197.1 ; D128.1 271.83,86.09 arc(271.92,86.15) 272.02,86.17 273.58,86.17 arc(273.62,86.14) 273.61,86.08 arc(273.55,85.99) 273.53,85.87 273.53,84.1 ; D153.1 67.11,47.77 arc(67.27,47.66) 67.46,47.63 68.94,47.63 arc(68.96,47.62) 68.95,47.6 arc(68.94,47.57) 68.93,47.54 68.93,46.41 ; D199.1 348.1,9.67 arc(348.26,9.56) 348.45,9.53 350.02,9.53 arc(350.02,9.52) 350.02,9.52 arc(350.01,9.51) 350.01,9.5 350.01,6.64 ; 245.26,7.12 245.26,9.52 arc(245.26,9.52) 245.26,9.52 arc(245.25,9.52) 245.25,9.53 243.68,9.53 arc(243.49,9.56) 243.33,9.67 D195.1 ; 245.26,7.12 arc(245.9,5.71) 247.46,5.12 ; 65.35,64.29 arc(64.51,64.64) 64.17,65.48 ; D141.1 157.6,66.82 arc(157.76,66.71) 157.95,66.68 159.39,66.68 arc(159.4,66.67) 159.41,66.67 arc(159.41,66.66) 159.42,66.65 159.42,65.48 ; 247.46,5.12 250.3,5.12 arc(251.86,4.81) 253.18,3.93 arc(254.51,3.04) 256.07,2.73 268.11,2.73 ; 274.28,83.34 arc(273.75,83.56) 273.53,84.1 ; 92.99,108.63 arc(92.73,107.99) 92.1,107.73 ; D194.1 224.28,9.67 arc(224.44,9.56) 224.63,9.53 226.05,9.53 arc(226.06,9.52) 226.06,9.51 arc(226.04,9.49) 226.04,9.46 226.04,7.12 ; 63.71,107.74 63.71,107.74 ; 302.7,83.34 310.55,83.34 ; D200.1 376.68,9.67 arc(376.84,9.56) 377.03,9.53 377.71,9.53 arc(378.34,9.26) 378.6,8.63 378.6,4.78 ; 350.01,6.64 arc(350.7,5.22) 352.36,4.64 ; D169.1 395.73,57.3 arc(395.89,57.19) 396.08,57.15 396.7,57.15 arc(397.28,56.91) 397.53,56.32 397.53,56.24 arc(397.36,55.39) 396.88,54.68 389.04,46.84 arc(387.27,45.66) 385.19,45.24 379.5,45.24 ; 160.6,64.29 arc(159.76,64.64) 159.42,65.48 ; 78.52,27.38 78.52,28.55 arc(78.52,28.56) 78.51,28.57 arc(78.5,28.57) 78.49,28.58 76.99,28.58 arc(76.8,28.61) 76.64,28.72 D173.1 ; 225.34,107.73 216.13,107.73 ; 216.13,107.73 arc(216.12,107.73) 216.11,107.74 ; 256.18,26.76 257.98,26.76 ; D189.1 19.49,9.67 arc(19.65,9.56) 19.84,9.53 21.47,9.53 arc(21.48,9.52) 21.49,9.52 arc(21.49,9.51) 21.49,9.5 21.49,8.33 ; 174.13,9.82 174.28,9.66 arc(174.44,9.55) 174.64,9.51 176.05,9.51 arc(176.16,9.49) 176.24,9.43 arc(176.3,9.35) 176.32,9.24 176.32,8.25 ; 97.63,27.34 97.63,28.44 arc(97.62,28.49) 97.59,28.54 arc(97.55,28.56) 97.5,28.58 96.04,28.58 arc(95.85,28.61) 95.69,28.72 D174.1 ; 82.76,107.74 82.76,107.74 ; D125.1 205.23,85.87 arc(205.39,85.76) 205.58,85.73 206.93,85.73 arc(207.02,85.71) 207.1,85.65 arc(207.15,85.57) 207.17,85.48 207.17,84.46 ; D191.1 64.73,9.67 arc(64.89,9.56) 65.08,9.53 66.74,9.53 arc(66.77,9.5) 66.76,9.47 arc(66.72,9.41) 66.71,9.34 66.71,8.28 ; 340.37,65.85 340.37,66.6 arc(340.37,66.6) 340.37,66.61 arc(340.37,66.61) 340.37,66.61 339.03,66.61 arc(338.8,66.66) 338.61,66.79 D148.1 ; 239.26,45.24 222.61,45.24 ; 239.26,45.24 241.63,45.24 ; 239.26,45.24 arc(240.1,45.59) 240.44,46.43 ; 227.4,83.34 225.29,83.34 ; 227.4,83.34 arc(226.65,83.65) 226.35,84.4 ; 360.53,26.76 366.75,26.76 arc(367.27,26.87) 367.71,27.16 arc(368.15,27.46) 368.67,27.56 378.47,27.56 arc(378.52,27.57) 378.56,27.6 arc(378.59,27.64) 378.6,27.7 378.6,28.2 arc(378.44,28.6) 378.04,28.77 376.7,28.77 arc(376.64,28.78) 376.58,28.82 D187.1 ; 360.53,26.76 arc(359.9,27.03) 359.63,27.66 ; 6.57,107.74 6.56,107.75 ; 6.57,107.74 arc(6.58,107.73) 6.59,107.73 ; 287.46,22 277.13,22 arc(275.05,22.42) 273.28,23.6 271.71,25.17 arc(269.94,26.35) 267.86,26.76 257.98,26.76 ; 245.27,84.46 245.27,85.48 arc(245.25,85.57) 245.2,85.65 arc(245.12,85.71) 245.03,85.73 243.68,85.73 arc(243.49,85.76) 243.33,85.87 D127.1 ; D123.1 167.13,85.87 arc(167.29,85.76) 167.48,85.73 168.1,85.73 arc(168.68,85.48) 168.93,84.9 168.93,83.65 ; D149.1 357.63,66.82 arc(357.79,66.71) 357.98,66.68 359.42,66.68 arc(359.42,66.67) 359.42,66.67 arc(359.42,66.67) 359.42,66.66 359.42,65.88 ; 217.75,64.29 arc(216.91,64.64) 216.57,65.48 ; 54.89,108.63 54.89,109.52 arc(54.89,109.52) 54.89,109.53 arc(54.88,109.54) 54.87,109.54 53.18,109.54 arc(52.99,109.58) 52.83,109.68 D102.1 ; 258.31,45.24 241.63,45.24 ; 258.31,45.24 arc(259.15,45.59) 259.49,46.43 ; 339.59,26.76 312.87,26.76 ; 235.74,65.38 235.74,66.37 arc(235.73,66.46) 235.67,66.54 arc(235.59,66.59) 235.5,66.61 234.26,66.61 arc(234.03,66.66) 233.83,66.79 D145.1 ; 22.68,7.14 20.31,7.14 ; 22.68,7.14 44.16,7.14 ; 22.68,7.14 arc(21.84,7.49) 21.49,8.33 ; 20.31,7.14 arc(21.15,7.49) 21.49,8.33 ; 273.26,107.74 273.26,107.74 ; 341.57,83.34 339.21,83.34 ; 341.57,83.34 arc(340.74,83.69) 340.39,84.53 ; 339.21,83.34 312.82,83.34 ; 339.21,83.34 arc(340.05,83.69) 340.39,84.53 ; D179.1 190.94,28.72 arc(191.1,28.61) 191.29,28.58 192.75,28.58 arc(192.8,28.56) 192.84,28.54 arc(192.87,28.49) 192.88,28.44 192.88,27.63 ; 130.39,107.74 130.38,107.74 ; 312.01,27.63 arc(312.26,27.02) 312.87,26.76 ; D158.1 162.36,47.77 arc(162.52,47.66) 162.71,47.63 164.17,47.63 arc(164.22,47.61) 164.27,47.59 arc(164.3,47.54) 164.31,47.49 164.31,46.39 ; 45.31,8.29 45.31,9.39 arc(45.3,9.44) 45.27,9.49 arc(45.22,9.51) 45.17,9.53 43.65,9.53 arc(43.46,9.56) 43.3,9.67 D190.1 ; 45.31,8.29 arc(44.97,7.48) 44.16,7.14 ; 2.03,26.25 arc(2.04,26.23) 2.05,26.21 ; 216.11,107.74 216.11,107.74 ; 241.63,45.24 arc(240.79,45.59) 240.44,46.43 ; D186.1 357.59,28.75 arc(357.72,28.67) 357.87,28.64 359.5,28.64 arc(359.55,28.63) 359.59,28.6 arc(359.62,28.55) 359.63,28.5 359.63,27.66 ; 254.21,107.74 254.21,107.74 ; 311.63,46.35 311.63,47.33 arc(311.65,47.44) 311.71,47.54 arc(311.72,47.59) 311.68,47.63 310.35,47.63 arc(310.16,47.66) 310,47.77 D165.1 ; 149.44,107.73 141.26,107.73 ; 187.54,107.74 187.53,107.74 ; 187.54,107.74 arc(187.54,107.73) 187.54,107.73 ; 54.64,84.49 54.64,85.63 arc(54.64,85.64) 54.63,85.65 arc(54.63,85.66) 54.61,85.66 53.28,85.66 arc(53.05,85.71) 52.86,85.84 D117.1 ; 216.57,65.48 216.57,66.65 arc(216.56,66.66) 216.56,66.67 arc(216.55,66.67) 216.54,66.68 215.1,66.68 arc(214.91,66.71) 214.75,66.82 D144.1 ; 312.82,83.34 310.55,83.34 ; 187.99,84.53 arc(188.34,83.69) 189.17,83.34 ; 189.17,83.34 206.05,83.34 ; D136.1 62.35,66.82 arc(62.51,66.71) 62.7,66.68 64.14,66.68 arc(64.15,66.67) 64.16,66.67 arc(64.16,66.66) 64.17,66.65 64.17,65.48 ; 101.81,107.74 101.81,107.74 ; 154.72,27.66 154.72,28.55 arc(154.72,28.56) 154.71,28.57 arc(154.7,28.57) 154.69,28.58 153.19,28.58 arc(153,28.61) 152.84,28.72 D177.1 ; 207.17,84.46 arc(207.5,83.67) 208.29,83.34 ; 207.17,84.46 arc(206.84,83.67) 206.05,83.34 ; 206.05,83.34 208.29,83.34 ; 208.29,83.34 225.29,83.34 ; D113.1 281.43,109.68 arc(281.59,109.58) 281.78,109.54 283.25,109.54 arc(283.35,109.52) 283.42,109.47 arc(283.47,109.39) 283.49,109.3 283.49,108.56 ; 22.6,45.24 2.3,45.24 arc(2.2,45.26) 2.11,45.32 ; D134.1 19.49,66.82 arc(19.65,66.71) 19.84,66.68 21.34,66.68 arc(21.35,66.67) 21.36,66.67 arc(21.37,66.66) 21.37,66.65 21.37,65.48 ; 226.35,84.4 arc(226.04,83.65) 225.29,83.34 ; 168.49,107.74 168.48,107.74 ; D135.1 43.3,66.82 arc(43.46,66.71) 43.65,66.68 45.09,66.68 arc(45.1,66.67) 45.11,66.67 arc(45.11,66.66) 45.12,66.65 45.12,65.48
